# Altium PCB DL4-1AA.PcbDoc (part 1 of 5) (continued)
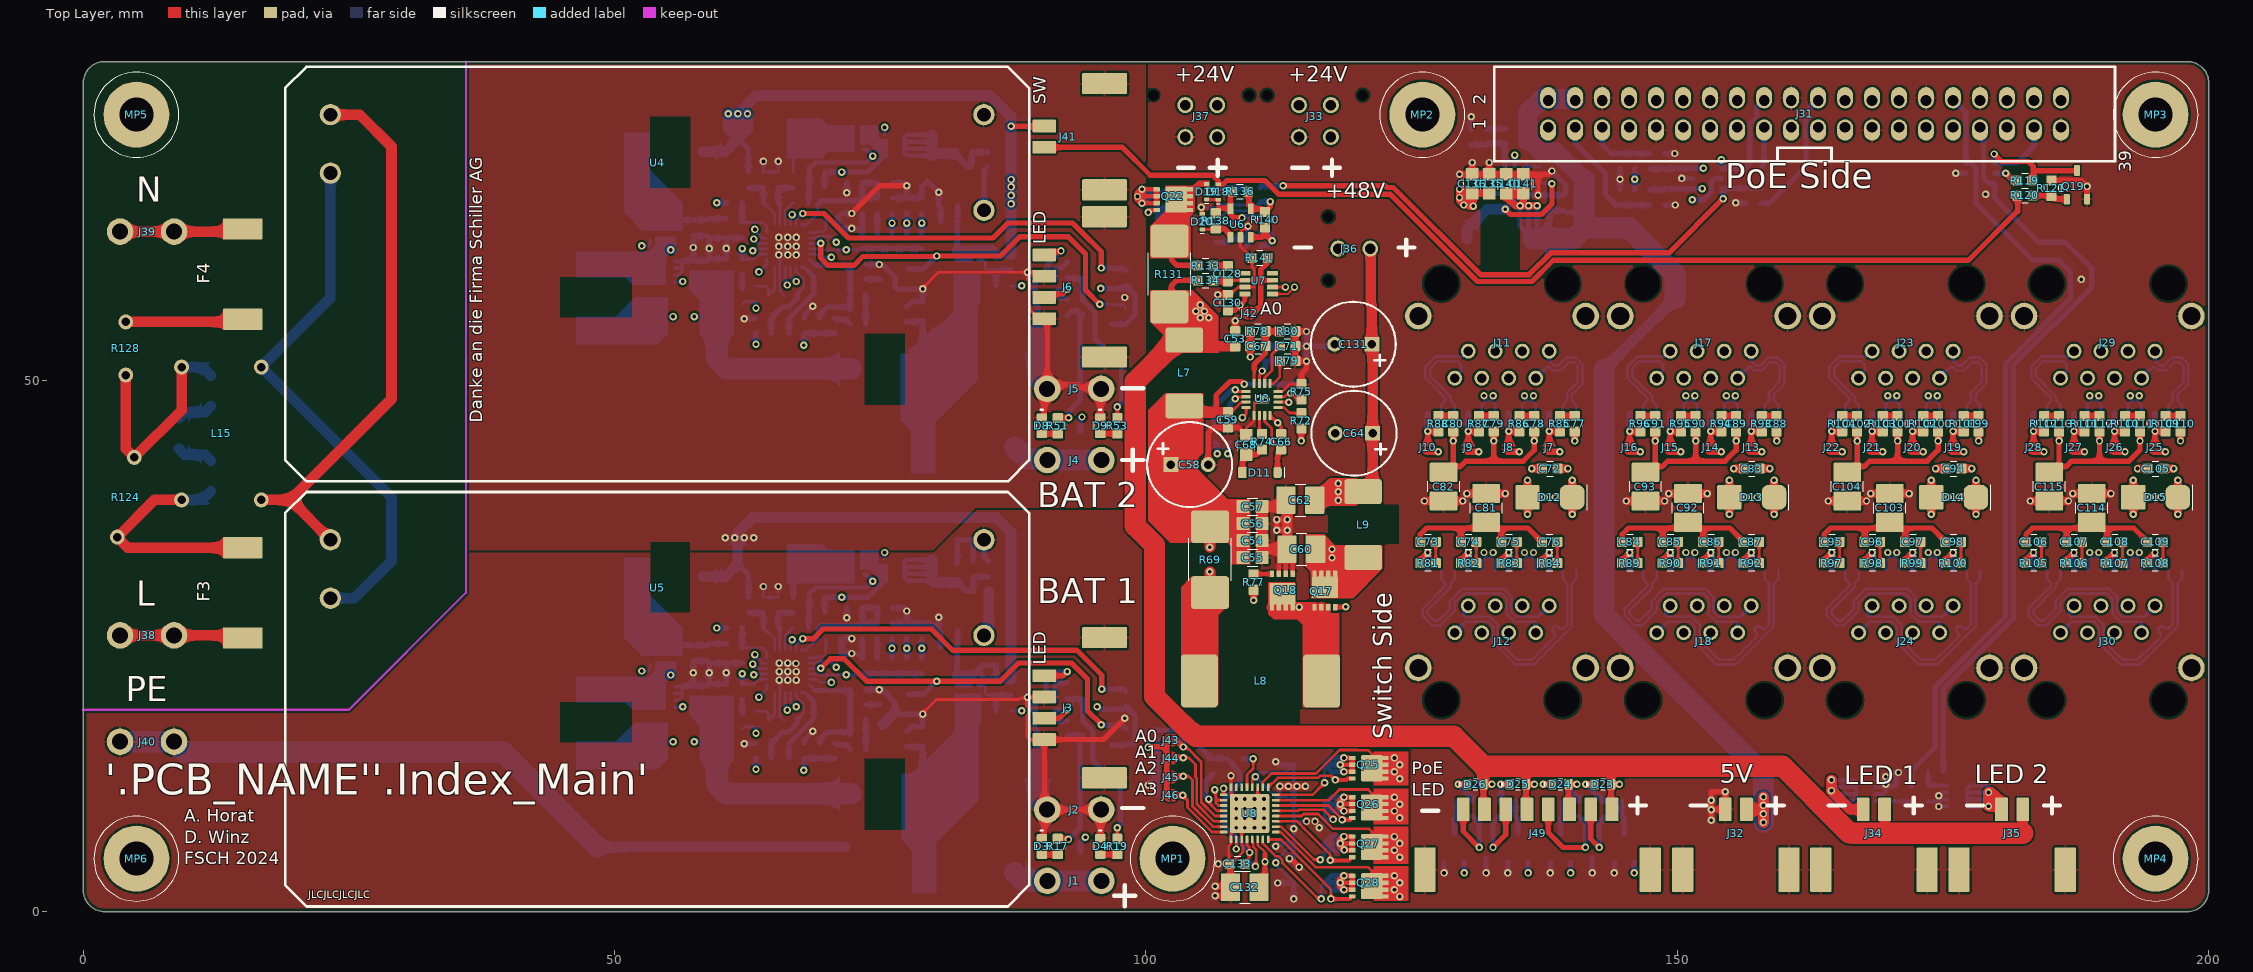
[diagram p0: Top Layer view]
## Classes and differential pairs (continued)
differential pair "POE_TD0_Ethernet Channel 3": +"POE_TD0_Ethernet Channel 3_P" -"POE_TD0_Ethernet Channel 3_N"
differential pair "POE_TD0_Ethernet Channel 2": +"POE_TD0_Ethernet Channel 2_P" -"POE_TD0_Ethernet Channel 2_N"
differential pair "POE_TD0_Ethernet Channel 1": +"POE_TD0_Ethernet Channel 1_P" -"POE_TD0_Ethernet Channel 1_N"
differential pair "IN_TD3_Ethernet Channel 4": +"IN_TD3_Ethernet Channel 4_P" -"IN_TD3_Ethernet Channel 4_N"
differential pair "IN_TD3_Ethernet Channel 3": +"IN_TD3_Ethernet Channel 3_P" -"IN_TD3_Ethernet Channel 3_N"
differential pair "IN_TD3_Ethernet Channel 2": +"IN_TD3_Ethernet Channel 2_P" -"IN_TD3_Ethernet Channel 2_N"
differential pair "IN_TD3_Ethernet Channel 1": +"IN_TD3_Ethernet Channel 1_P" -"IN_TD3_Ethernet Channel 1_N"
differential pair "IN_TD2_Ethernet Channel 4": +"IN_TD2_Ethernet Channel 4_P" -"IN_TD2_Ethernet Channel 4_N"
differential pair "IN_TD2_Ethernet Channel 3": +"IN_TD2_Ethernet Channel 3_P" -"IN_TD2_Ethernet Channel 3_N"
differential pair "IN_TD2_Ethernet Channel 2": +"IN_TD2_Ethernet Channel 2_P" -"IN_TD2_Ethernet Channel 2_N"
differential pair "IN_TD2_Ethernet Channel 1": +"IN_TD2_Ethernet Channel 1_P" -"IN_TD2_Ethernet Channel 1_N"
differential pair "IN_TD1_Ethernet Channel 4": +"IN_TD1_Ethernet Channel 4_P" -"IN_TD1_Ethernet Channel 4_N"
differential pair "IN_TD1_Ethernet Channel 3": +"IN_TD1_Ethernet Channel 3_P" -"IN_TD1_Ethernet Channel 3_N"
differential pair "IN_TD1_Ethernet Channel 2": +"IN_TD1_Ethernet Channel 2_P" -"IN_TD1_Ethernet Channel 2_N"
differential pair "IN_TD1_Ethernet Channel 1": +"IN_TD1_Ethernet Channel 1_P" -"IN_TD1_Ethernet Channel 1_N"
differential pair "IN_TD0_Ethernet Channel 4": +"IN_TD0_Ethernet Channel 4_P" -"IN_TD0_Ethernet Channel 4_N"
differential pair "IN_TD0_Ethernet Channel 3": +"IN_TD0_Ethernet Channel 3_P" -"IN_TD0_Ethernet Channel 3_N"
differential pair "IN_TD0_Ethernet Channel 2": +"IN_TD0_Ethernet Channel 2_P" -"IN_TD0_Ethernet Channel 2_N"
differential pair "IN_TD0_Ethernet Channel 1": +"IN_TD0_Ethernet Channel 1_P" -"IN_TD0_Ethernet Channel 1_N"

## Components (designator, comment, footprint, x,y, rotation, side; value= is the part's Value field where it differs from the comment)
C1 "10U/0805/50V/X5R" CAP0805_X7R 81.4,26.427 r180 bottom value=10uF (schematic designator C200)
C2 "100N/0603/50V/X7R" CAP0603_X7R 81.4,24.927 r180 bottom value=100nF (schematic designator C201)
C3 "100N/0603/50V/X7R" CAP0603_X7R 69.051,29.599 r180 bottom value=100nF (schematic designator C203)
C4 "100N/0603/50V/X7R" CAP0603_X7R 64.725,26.727 r180 bottom value=100nF (schematic designator C202)
C5 "10U/0805/50V/X5R" CAP0805_X7R 58.9,24.327 r270 bottom value=10uF (schematic designator C204)
C6 "10U/0805/50V/X5R" CAP0805_X7R 60.5,24.327 r270 bottom value=10uF (schematic designator C205)
C7 "100N/0603/50V/X7R" CAP0603_X7R 57.4,24.327 r270 bottom value=100nF (schematic designator C206)
C8 "100N/0603/50V/X7R" CAP0603_X7R 64,28.852 r90 bottom value=100nF (schematic designator C225)
C9 "100N/0603/50V/X7R" CAP0603_X7R 87.299,21.1 r270 bottom value=100nF (schematic designator C208)
C10 "100N/0603/50V/X7R" CAP0603_X7R 65.4,28.852 r90 bottom value=100nF (schematic designator C209)
C11 "1.0U/0603/50V/X7R" CAP0603_X7R 62,24.127 r90 bottom value=1.0uF (schematic designator C207)
C12 "1.0U/0603/50V/X7R" CAP0603_X7R 62,20.7 r90 bottom value=1.0uF (schematic designator C211)
C13 "10P/0603/50V/C0G" CAP0603_C0G 69.3,15.152 r90 bottom value=10pF (schematic designator C213)
C14 "22U/0805/25V/X5R" CAP0805_X7R 60.5,20.527 r90 bottom value=22uF (schematic designator C214)
C15 "22U/0805/25V/X5R" CAP0805_X7R 58.9,20.527 r90 bottom value=22uF (schematic designator C215)
C16 "100N/0603/50V/X7R" CAP0603_X7R 57.4,20.527 r90 bottom value=100nF (schematic designator C216)
C17 "10U/0805/50V/X5R" CAP0805_X7R 79,16.527 r90 bottom value=10uF (schematic designator C217)
C18 "100N/0603/50V/X7R" CAP0603_X7R 77.5,16.252 r90 bottom value=100nF (schematic designator C218)
C19 "100N/0603/50V/X7R" CAP0603_X7R 67.999,18.2 r0 bottom value=100nF (schematic designator C212)
C20 "1.0U/0603/50V/X7R" CAP0603_X7R 65.199,18 r180 bottom value=1.0uF (schematic designator C219)
C21 "100N/0603/50V/X7R" CAP0603_X7R 70.599,24.3 r0 bottom value=100nF (schematic designator C220)
C22 "10N/0603/50V/C0G" CAP0603_C0G 70.599,25.7 r0 bottom value=10nF (schematic designator C221)
C23 "100N/0603/50V/X7R" CAP0603_X7R 63.975,15.827 r180 bottom value=100nF (schematic designator C222)
C24 "100N/0603/50V/X7R" CAP0603_X7R 67.125,15.827 r0 bottom value=100nF (schematic designator C223)
C25 "10P/0603/50V/C0G" CAP0603_C0G 72.575,28.6 r180 bottom value=10pF (schematic designator C224)
C26 "1.0U/0603/50V/X7R" CAP0603_X7R 73.3,23.127 r90 bottom value=1.0uF (schematic designator C210)
C27 "10U/0805/50V/X5R" CAP0805_X7R 81.4,66.427 r180 bottom value=10uF (schematic designator C200)
C28 "100N/0603/50V/X7R" CAP0603_X7R 81.4,64.927 r180 bottom value=100nF (schematic designator C201)
C29 "100N/0603/50V/X7R" CAP0603_X7R 69.051,69.599 r180 bottom value=100nF (schematic designator C203)
C30 "100N/0603/50V/X7R" CAP0603_X7R 64.725,66.727 r180 bottom value=100nF (schematic designator C202)
C31 "10U/0805/50V/X5R" CAP0805_X7R 58.9,64.327 r270 bottom value=10uF (schematic designator C204)
C32 "10U/0805/50V/X5R" CAP0805_X7R 60.5,64.327 r270 bottom value=10uF (schematic designator C205)
C33 "100N/0603/50V/X7R" CAP0603_X7R 57.4,64.327 r270 bottom value=100nF (schematic designator C206)
C34 "100N/0603/50V/X7R" CAP0603_X7R 64,68.852 r90 bottom value=100nF (schematic designator C225)
C35 "100N/0603/50V/X7R" CAP0603_X7R 87.299,61.1 r270 bottom value=100nF (schematic designator C208)
C36 "100N/0603/50V/X7R" CAP0603_X7R 65.4,68.852 r90 bottom value=100nF (schematic designator C209)
C37 "1.0U/0603/50V/X7R" CAP0603_X7R 62,64.127 r90 bottom value=1.0uF (schematic designator C207)
C38 "1.0U/0603/50V/X7R" CAP0603_X7R 62,60.7 r90 bottom value=1.0uF (schematic designator C211)
C39 "10P/0603/50V/C0G" CAP0603_C0G 69.3,55.152 r90 bottom value=10pF (schematic designator C213)
C40 "22U/0805/25V/X5R" CAP0805_X7R 60.5,60.527 r90 bottom value=22uF (schematic designator C214)
C41 "22U/0805/25V/X5R" CAP0805_X7R 58.9,60.527 r90 bottom value=22uF (schematic designator C215)
C42 "100N/0603/50V/X7R" CAP0603_X7R 57.4,60.527 r90 bottom value=100nF (schematic designator C216)
C43 "10U/0805/50V/X5R" CAP0805_X7R 79,56.527 r90 bottom value=10uF (schematic designator C217)
C44 "100N/0603/50V/X7R" CAP0603_X7R 77.5,56.252 r90 bottom value=100nF (schematic designator C218)
C45 "100N/0603/50V/X7R" CAP0603_X7R 67.999,58.2 r0 bottom value=100nF (schematic designator C212)
C46 "1.0U/0603/50V/X7R" CAP0603_X7R 65.199,58 r180 bottom value=1.0uF (schematic designator C219)
C47 "100N/0603/50V/X7R" CAP0603_X7R 70.599,64.3 r0 bottom value=100nF (schematic designator C220)
C48 "10N/0603/50V/C0G" CAP0603_C0G 70.599,65.7 r0 bottom value=10nF (schematic designator C221)
C49 "100N/0603/50V/X7R" CAP0603_X7R 63.975,55.827 r180 bottom value=100nF (schematic designator C222)
C50 "100N/0603/50V/X7R" CAP0603_X7R 67.125,55.827 r0 bottom value=100nF (schematic designator C223)
C51 "10P/0603/50V/C0G" CAP0603_C0G 72.575,68.6 r180 bottom value=10pF (schematic designator C224)
C52 "1.0U/0603/50V/X7R" CAP0603_X7R 73.3,63.127 r90 bottom value=1.0uF (schematic designator C210)
C53 "100N/0603/50V/X7R" CAP0603_X7R 108.4,53.9 r90 top value=100nF (schematic designator C300)
C54 "10U/0805/50V/X5R" CAP0805_X7R 110.025,34.925 r0 top value=10uF (schematic designator C301)
C55 "10U/0805/50V/X5R" CAP0805_X7R 110.025,33.325 r0 top value=10uF (schematic designator C302)
C56 "10U/0805/50V/X5R" CAP0805_X7R 110.025,36.525 r0 top value=10uF (schematic designator C317)
C57 "10U/0805/50V/X5R" CAP0805_X7R 110.025,38.125 r0 top value=10uF (schematic designator C318)
C58 "68U/RADIAL/63V" CAP350P80X130 104.1,42.075 r0 top value=68UF (schematic designator C303)
C59 "100N/0603/50V/X7R" CAP0603_X7R 107.7,46.275 r90 top value=100nF (schematic designator C304)
C60 "10U/1210/63V/X7R" CAP1210_X7R 114.625,34.125 r180 top value=10UF (schematic designator C305)
C61 "10U/1210/63V/X7R" CAP1210_X7R 114.625,34.125 r180 bottom value=10UF (schematic designator C306)
C62 "10U/1210/63V/X7R" CAP1210_X7R 114.525,38.725 r180 top value=10UF (schematic designator C307)
C63 "10U/1210/63V/X7R" CAP1210_X7R 114.525,38.725 r180 bottom value=10UF (schematic designator C308)
C64 "68U/RADIAL/63V" CAP350P80X130 119.575,45.025 r180 top value=68UF (schematic designator C309)
C65 "100P/0603/50V/C0G" CAP0603_C0G 107.2,46.95 r180 bottom value=100pF (schematic designator C310)
C66 "100N/0603/100V/X7R" CAP0603_X7R 112.725,44.225 r90 top value=100nF (schematic designator C311)
C67 "10N/0603/50V/C0G" CAP0603_C0G 110.525,53.225 r0 top value=10nF (schematic designator C312)
C68 "10U/0805/50V/X5R" CAP0805_X7R 109.425,43.925 r90 top value=10uF (schematic designator C313)
C69 "100P/0603/50V/C0G" CAP0603_C0G 113.325,51.825 r0 bottom value=100pF (schematic designator C314)
C70 "10N/0603/50V/C0G" CAP0603_C0G 113.325,53.225 r0 bottom value=10nF (schematic designator C315)
C71 "100N/0603/50V/X7R" CAP0603_X7R 113.325,53.225 r0 top value=100nF (schematic designator C316)
C72 "100N/0603/100V/X7R" CAP0603_X7R 138,41.7 r180 top value=100nF (schematic designator C510)
C73 "22N/0603/100V/X7R" CAP0603_X7R 126.54,34.8 r180 top value=22nF (schematic designator C500)
C74 "22N/0603/100V/X7R" CAP0603_X7R 130.35,34.8 r180 top value=22nF (schematic designator C501)
C75 "22N/0603/100V/X7R" CAP0603_X7R 134.16,34.8 r180 top value=22nF (schematic designator C502)
C76 "22N/0603/100V/X7R" CAP0603_X7R 137.97,34.8 r180 top value=22nF (schematic designator C503)
C77 "22N/0603/100V/X7R" CAP0603_X7R 140.345,45.925 r270 top value=22nF (schematic designator C504)
C78 "22N/0603/100V/X7R" CAP0603_X7R 136.535,45.925 r270 top value=22nF (schematic designator C505)
C79 "22N/0603/100V/X7R" CAP0603_X7R 132.725,45.925 r270 top value=22nF (schematic designator C506)
C80 "22N/0603/100V/X7R" CAP0603_X7R 128.915,45.925 r270 top value=22nF (schematic designator C507)
C81 "1N/1210/2kV" CAP1210_X7R 132,38 r90 top value=1N (schematic designator C508)
C82 "1N/1210/2kV" CAP1210_X7R 128,40 r270 top value=1N (schematic designator C509)
C83 "100N/0603/100V/X7R" CAP0603_X7R 157,41.7 r180 top value=100nF (schematic designator C510)
C84 "22N/0603/100V/X7R" CAP0603_X7R 145.54,34.8 r180 top value=22nF (schematic designator C500)
C85 "22N/0603/100V/X7R" CAP0603_X7R 149.35,34.8 r180 top value=22nF (schematic designator C501)
C86 "22N/0603/100V/X7R" CAP0603_X7R 153.16,34.8 r180 top value=22nF (schematic designator C502)
C87 "22N/0603/100V/X7R" CAP0603_X7R 156.97,34.8 r180 top value=22nF (schematic designator C503)
C88 "22N/0603/100V/X7R" CAP0603_X7R 159.345,45.925 r270 top value=22nF (schematic designator C504)
C89 "22N/0603/100V/X7R" CAP0603_X7R 155.535,45.925 r270 top value=22nF (schematic designator C505)
C90 "22N/0603/100V/X7R" CAP0603_X7R 151.725,45.925 r270 top value=22nF (schematic designator C506)
C91 "22N/0603/100V/X7R" CAP0603_X7R 147.915,45.925 r270 top value=22nF (schematic designator C507)
C92 "1N/1210/2kV" CAP1210_X7R 151,38 r90 top value=1N (schematic designator C508)
C93 "1N/1210/2kV" CAP1210_X7R 147,40 r270 top value=1N (schematic designator C509)
C94 "100N/0603/100V/X7R" CAP0603_X7R 176,41.7 r180 top value=100nF (schematic designator C510)
C95 "22N/0603/100V/X7R" CAP0603_X7R 164.54,34.8 r180 top value=22nF (schematic designator C500)
C96 "22N/0603/100V/X7R" CAP0603_X7R 168.35,34.8 r180 top value=22nF (schematic designator C501)
C97 "22N/0603/100V/X7R" CAP0603_X7R 172.16,34.8 r180 top value=22nF (schematic designator C502)
C98 "22N/0603/100V/X7R" CAP0603_X7R 175.97,34.8 r180 top value=22nF (schematic designator C503)
C99 "22N/0603/100V/X7R" CAP0603_X7R 178.345,45.925 r270 top value=22nF (schematic designator C504)
C100 "22N/0603/100V/X7R" CAP0603_X7R 174.535,45.925 r270 top value=22nF (schematic designator C505)
C101 "22N/0603/100V/X7R" CAP0603_X7R 170.725,45.925 r270 top value=22nF (schematic designator C506)
C102 "22N/0603/100V/X7R" CAP0603_X7R 166.915,45.925 r270 top value=22nF (schematic designator C507)
C103 "1N/1210/2kV" CAP1210_X7R 170,38 r90 top value=1N (schematic designator C508)
C104 "1N/1210/2kV" CAP1210_X7R 166,40 r270 top value=1N (schematic designator C509)
C105 "100N/0603/100V/X7R" CAP0603_X7R 195,41.7 r180 top value=100nF (schematic designator C510)
C106 "22N/0603/100V/X7R" CAP0603_X7R 183.54,34.8 r180 top value=22nF (schematic designator C500)
C107 "22N/0603/100V/X7R" CAP0603_X7R 187.35,34.8 r180 top value=22nF (schematic designator C501)
C108 "22N/0603/100V/X7R" CAP0603_X7R 191.16,34.8 r180 top value=22nF (schematic designator C502)
C109 "22N/0603/100V/X7R" CAP0603_X7R 194.97,34.8 r180 top value=22nF (schematic designator C503)
C110 "22N/0603/100V/X7R" CAP0603_X7R 197.345,45.925 r270 top value=22nF (schematic designator C504)
C111 "22N/0603/100V/X7R" CAP0603_X7R 193.535,45.925 r270 top value=22nF (schematic designator C505)
C112 "22N/0603/100V/X7R" CAP0603_X7R 189.725,45.925 r270 top value=22nF (schematic designator C506)
C113 "22N/0603/100V/X7R" CAP0603_X7R 185.915,45.925 r270 top value=22nF (schematic designator C507)
C114 "1N/1210/2kV" CAP1210_X7R 189,38 r90 top value=1N (schematic designator C508)
C115 "1N/1210/2kV" CAP1210_X7R 185,40 r270 top value=1N (schematic designator C509)
C116 "10P/0603/50V/C0G" CAP0603_C0G 148.8,67.225 r270 bottom value=10pF (schematic designator C600)
C117 "10P/0603/50V/C0G" CAP0603_C0G 148.8,70.625 r90 bottom value=10pF (schematic designator C601)
C118 "10P/0603/50V/C0G" CAP0603_C0G 144.6,67.225 r90 bottom value=10pF (schematic designator C602)
C119 "10P/0603/50V/C0G" CAP0603_C0G 144.6,70.625 r270 bottom value=10pF (schematic designator C603)
C120 "10P/0603/50V/C0G" CAP0603_C0G 156.5,67.4 r270 bottom value=10pF (schematic designator C604)
C121 "10P/0603/50V/C0G" CAP0603_C0G 170.6,11.1 r90 bottom value=10pF (schematic designator C605)
C122 "10P/0603/50V/C0G" CAP0603_C0G 173.6,11.1 r270 bottom value=10pF (schematic designator C606)
C123 "10U/0805/50V/X5R" CAP0805_X7R 82,72.25 r90 bottom value=10uF (schematic designator C100)
C124 "100N/0603/50V/X7R" CAP0603_X7R 85.1,72.2 r90 bottom value=100nF (schematic designator C101)
C125 "10U/0805/50V/X5R" CAP0805_X7R 82.248,31.875 r90 bottom value=10uF (schematic designator C102)
C126 "100N/0603/50V/X7R" CAP0603_X7R 85.148,32.25 r90 bottom value=100nF (schematic designator C103)
C127 "100N/0603/50V/X7R" CAP0603_X7R 102.5,66.9 r270 bottom value=100nF (schematic designator C800)
C128 "10P/0603/50V/C0G" CAP0603_C0G 107.7,60.05 r90 top value=10pF (schematic designator C803)
C129 "100N/0603/50V/X7R" CAP0603_X7R 108,64.025 r270 bottom value=100nF (schematic designator C802)
C130 "1.0U/0603/50V/X7R" CAP0603_X7R 107.7,57.325 r90 top value=1.0uF (schematic designator C801)
C131 "68U/RADIAL/63V" CAP350P80X130 119.5,53.4 r180 top value=68UF (schematic designator C400)
C132 "4.7U/1210/100V/X7S" CAP1210_X7R 109.3,2.3 r180 top value=4.7uF (schematic designator C401)
C133 "1.0U/0603/50V/X7R" CAP0603_X7R 108.6,4.5 r180 top value=1.0uF (schematic designator C404)
C134 "100N/0603/50V/X7R" CAP0603_X7R 137.1,69.3 r270 bottom value=100nF (schematic designator C700)
C135 "10U/0805/50V/X5R" CAP0805_X7R 132.3,68.5 r90 top value=10uF (schematic designator C701)
C136 "10U/0805/50V/X5R" CAP0805_X7R 130.7,68.5 r90 top value=10uF (schematic designator C702)
C137 "10U/0805/50V/X5R" CAP0805_X7R 130.9,68.5 r90 bottom value=10uF (schematic designator C703)
C138 "1.0U/0603/50V/X7R" CAP0603_X7R 132.4,68.5 r90 bottom value=1.0uF (schematic designator C704)
C139 "1.0U/0603/50V/X7R" CAP0603_X7R 138,66.7 r90 bottom value=1.0uF (schematic designator C705)
C140 "22U/0805/25V/X5R" CAP0805_X7R 133.9,68.5 r90 top value=22uF (schematic designator C706)
C141 "22U/0805/25V/X5R" CAP0805_X7R 135.5,68.5 r90 top value=22uF (schematic designator C707)
C142 "22U/0805/25V/X5R" CAP0805_X7R 139.5,66.7 r90 bottom value=22uF (schematic designator C708)
C143 "10P/0603/50V/C0G" CAP0603_C0G 132,72.9 r90 bottom value=10pF (schematic designator C709)
D1 "BAS70-02V-G3-08" SOD1608X065 63.3,18.127 r90 bottom value=70V/100mA (schematic designator D203)
D2 "5.0SMDJ15CA" DIOM7959X265 86.3,14.2 r0 bottom (schematic designator D202)
D3 "LED Green" LED0603_GREEN 90.199,6.138 r270 top value=Green (schematic designator D200)
D4 "LED Red" LED0603_RED 95.699,6.138 r270 top value=Red (schematic designator D201)
D5 "PESD1CAN-UX" SOT65P210X95-3-SE 90.499,19.2 r0 bottom (schematic designator D204)
D6 "BAS70-02V-G3-08" SOD1608X065 63.3,58.127 r90 bottom value=70V/100mA (schematic designator D203)
D7 "5.0SMDJ15CA" DIOM7959X265 86.3,54.2 r0 bottom (schematic designator D202)
D8 "LED Green" LED0603_GREEN 90.2,45.738 r270 top value=Green (schematic designator D200)
D9 "LED Red" LED0603_RED 95.7,45.738 r270 top value=Red (schematic designator D201)
D10 "PESD1CAN-UX" SOT65P210X95-3-SE 90.5,58.8 r0 bottom (schematic designator D204)
D11 "SMD110PL-TP" SOD3718X125 110.725,41.325 r180 top (schematic designator D300)
D12 "SMBJ58A" DIOM5436X265 138,39 r180 top (schematic designator D501)
D13 "SMBJ58A" DIOM5436X265 157,39 r180 top (schematic designator D501)
D14 "SMBJ58A" DIOM5436X265 176,39 r180 top (schematic designator D501)
D15 "SMBJ58A" DIOM5436X265 195,39 r180 top (schematic designator D501)
D16 "PRTR5V0U4D" SOT2395P280X125-6-NW 152.8,69 r0 bottom (schematic designator D600)
D17 "PRTR5V0U4D" SOT2395P280X125-6-NW 178.5,69.5 r0 bottom (schematic designator D601)
D18 "BAS70-02V-G3-08" SOD1608X065 106.8,67.725 r90 top value=70V/100mA (schematic designator D800)
D19 "BAS70-02V-G3-08" SOD1608X065 105.7,67.75 r90 top value=70V/100mA (schematic designator D801)
D20 "BZT585B10T" SOD1608X065 105.3,64.925 r90 top (schematic designator D802)
D21 "PESD1CAN-UX" SOT65P210X95-3-SE 132,6 r90 bottom (schematic designator D404)
D22 "PESD1CAN-UX" SOT65P210X95-3-SE 142,6 r90 bottom (schematic designator D405)
D23 "LED Green" LED0603_GREEN 143,12 r0 top value=Green (schematic designator D400)
D24 "LED Green" LED0603_GREEN 139,12 r0 top value=Green (schematic designator D401)
D25 "LED Green" LED0603_GREEN 135,12 r0 top value=Green (schematic designator D402)
D26 "LED Green" LED0603_GREEN 131,12 r0 top value=Green (schematic designator D403)
F1 "6.3A/UMT250/FUSE" UMT250 83.4,3.7 r0 bottom value=6.3A (schematic designator F200)
F2 "6.3A/UMT250/FUSE" UMT250 83.4,43.7 r0 bottom value=6.3A (schematic designator F200)
F3 "3.15A/UMT250/FUSE" UMT250 15,30 r90 top value=3.15A (schematic designator F100)
F4 "3.15A/UMT250/FUSE" UMT250 15,60 r270 top value=3.15A (schematic designator F101)
J1 "6.35mmx0.81mm Tab THT" Tab_THT_635 93.26,2.9 r180 top (schematic designator J200)
J2 "6.35mmx0.81mm Tab THT" Tab_THT_635 93.24,9.6 r180 top (schematic designator J201)
J3 "5600200420" 5600200420 94.499,19.2 r90 top (schematic designator J203)
J4 "6.35mmx0.81mm Tab THT" Tab_THT_635 93.261,42.5 r180 top (schematic designator J200)
J5 "6.35mmx0.81mm Tab THT" Tab_THT_635 93.241,49.2 r180 top (schematic designator J201)
J6 "5600200420" 5600200420 94.5,58.8 r90 top (schematic designator J203)
J7 "Solder Jumper 2pin 0.2mm small" Solder_Jumper_2pin_0.2mm_small 137.945,43.685 r90 top (schematic designator J502)
J8 "Solder Jumper 2pin 0.2mm small" Solder_Jumper_2pin_0.2mm_small 134.135,43.685 r90 top (schematic designator J503)
J9 "Solder Jumper 2pin 0.2mm small" Solder_Jumper_2pin_0.2mm_small 130.325,43.685 r90 top (schematic designator J504)
J10 "Solder Jumper 2pin 0.2mm small" Solder_Jumper_2pin_0.2mm_small 126.515,43.685 r90 top (schematic designator J505)
J11 "615008160421" ETH_615008160421 133.5,57 r180 top (schematic designator J500)
J12 "615008160421" ETH_615008160421 133.5,22 r0 top (schematic designator J501)
J13 "Solder Jumper 2pin 0.2mm small" Solder_Jumper_2pin_0.2mm_small 156.945,43.685 r90 top (schematic designator J502)
J14 "Solder Jumper 2pin 0.2mm small" Solder_Jumper_2pin_0.2mm_small 153.135,43.685 r90 top (schematic designator J503)
J15 "Solder Jumper 2pin 0.2mm small" Solder_Jumper_2pin_0.2mm_small 149.325,43.685 r90 top (schematic designator J504)
J16 "Solder Jumper 2pin 0.2mm small" Solder_Jumper_2pin_0.2mm_small 145.515,43.685 r90 top (schematic designator J505)
J17 "615008160421" ETH_615008160421 152.5,57 r180 top (schematic designator J500)
J18 "615008160421" ETH_615008160421 152.5,22 r0 top (schematic designator J501)
J19 "Solder Jumper 2pin 0.2mm small" Solder_Jumper_2pin_0.2mm_small 175.945,43.685 r90 top (schematic designator J502)
J20 "Solder Jumper 2pin 0.2mm small" Solder_Jumper_2pin_0.2mm_small 172.135,43.685 r90 top (schematic designator J503)
J21 "Solder Jumper 2pin 0.2mm small" Solder_Jumper_2pin_0.2mm_small 168.325,43.685 r90 top (schematic designator J504)
J22 "Solder Jumper 2pin 0.2mm small" Solder_Jumper_2pin_0.2mm_small 164.515,43.685 r90 top (schematic designator J505)
J23 "615008160421" ETH_615008160421 171.5,57 r180 top (schematic designator J500)
J24 "615008160421" ETH_615008160421 171.5,22 r0 top (schematic designator J501)
J25 "Solder Jumper 2pin 0.2mm small" Solder_Jumper_2pin_0.2mm_small 194.945,43.685 r90 top (schematic designator J502)
J26 "Solder Jumper 2pin 0.2mm small" Solder_Jumper_2pin_0.2mm_small 191.135,43.685 r90 top (schematic designator J503)
J27 "Solder Jumper 2pin 0.2mm small" Solder_Jumper_2pin_0.2mm_small 187.325,43.685 r90 top (schematic designator J504)
J28 "Solder Jumper 2pin 0.2mm small" Solder_Jumper_2pin_0.2mm_small 183.515,43.685 r90 top (schematic designator J505)
J29 "615008160421" ETH_615008160421 190.5,57 r180 top (schematic designator J500)
J30 "615008160421" ETH_615008160421 190.5,22 r0 top (schematic designator J501)
J31 "CON40" HEAD_254_2X20_Tray 137.84,73.8 r90 top (schematic designator J600)
J32 "5600200220" 5600200220 155.5,5.555 r0 top (schematic designator J601)
J33 "430450412" 430450412 115.9,74.4 r0 top (schematic designator J602)
J34 "5600200220" 5600200220 168.5,5.555 r0 top (schematic designator J605)
J35 "5600200220" 5600200220 181.5,5.555 r0 top (schematic designator J606)
J36 "430450212" 430450212 119.6,62.4 r90 top (schematic designator J603)
J37 "430450412" 430450412 105.2,74.4 r0 top (schematic designator J604)
J38 "6.35mmx0.81mm Tab THT" Tab_THT_635 6,26 r0 top (schematic designator J101)
J39 "6.35mmx0.81mm Tab THT" Tab_THT_635 6,64 r0 top (schematic designator J102)
J40 "6.35mmx0.81mm Tab THT" Tab_THT_635 6,16 r0 top (schematic designator J103)
J41 "5600200220" 5600200220 94.5,72.925 r90 top (schematic designator J800)
J42 "Solder Jumper 2pin 0.2mm small" Solder_Jumper_2pin_0.2mm_small 109.7,56.325 r0 top (schematic designator J801)
J43 "Solder Jumper 2pin 0.2mm small" Solder_Jumper_2pin_0.2mm_small 102.325,16.15 r0 top (schematic designator J400)
J44 "Solder Jumper 2pin 0.2mm small" Solder_Jumper_2pin_0.2mm_small 102.325,14.45 r0 top (schematic designator J401)
J45 "Solder Jumper 2pin 0.2mm small" Solder_Jumper_2pin_0.2mm_small 102.325,12.65 r0 top (schematic designator J402)
J46 "Solder Jumper 2pin 0.2mm small" Solder_Jumper_2pin_0.2mm_small 102.325,10.95 r0 top (schematic designator J403)
J47 "NETTIE_025x050" NETTIE_025x050 112.725,13.1 r0 bottom (schematic designator J405)
J48 "NETTIE_025x050" NETTIE_025x050 112.725,10.8 r0 bottom (schematic designator J406)
J49 "5600200820" 5600200820 136.85,5.555 r0 top (schematic designator J404)
J50 "NETTIE_025x050" NETTIE_025x050 112.888,5.488 r45 bottom (schematic designator J407)
J51 "NETTIE_025x050" NETTIE_025x050 112.912,3.688 r315 bottom (schematic designator J408)
L1 "470NH/6630" INDM660730X30 55.2,31.527 r180 bottom value=470NH (schematic designator L200)
L2 "22UH/6630" INDM660730X30 48.199,17.8 r270 bottom value=22UH (schematic designator L201)
L3 "470NH/6630" INDM660730X30 75.399,11.1 r180 bottom value=470NH (schematic designator L202)
L4 "470NH/6630" INDM660730X30 55.2,71.527 r180 bottom value=470NH (schematic designator L200)
L5 "22UH/6630" INDM660730X30 48.199,57.8 r270 bottom value=22UH (schematic designator L201)
L6 "470NH/6630" INDM660730X30 75.399,51.1 r180 bottom value=470NH (schematic designator L202)
L7 "470NH/6630" INDM660730X30 103.6,50.7 r270 top value=470NH (schematic designator L300)
L8 "8.2UH/1245" INDM126126X47 110.775,21.725 r0 top value=8.2UH (schematic designator L301)
L9 "470NH/6630" INDM660730X30 120.425,36.425 r90 top value=470NH (schematic designator L302)
L10 "LAN2VSOPS24351C2" IND127P1600X620-24 133.5,39.5 r0 bottom (schematic designator L500)
L11 "LAN2VSOPS24351C2" IND127P1600X620-24 152.5,39.5 r0 bottom (schematic designator L500)
L12 "LAN2VSOPS24351C2" IND127P1600X620-24 171.5,39.5 r0 bottom (schematic designator L500)
L13 "LAN2VSOPS24351C2" IND127P1600X620-24 190.5,39.5 r0 bottom (schematic designator L500)
L14 "30R/0603/FERRITE" FB0603 84.3,70.1 r180 bottom value=30R (schematic designator L100)
L15 "1MH/THT/CMC" DFKH-CASE-50-2 13,45 r180 top value=1MH (schematic designator L101)
L16 "30R/0603/FERRITE" FB0603 84.5,30.1 r180 bottom value=30R (schematic designator L102)
L17 "10UH/6630" INDM660730X30 133.3,63.3 r0 bottom value=10UH (schematic designator L700)
MP1 "PEM M3, 2mm" MECH_SMTSO3020CTJ 102.5,5 r0 top (schematic designator MP600)
MP2 "PEM M3, 2mm" MECH_SMTSO3020CTJ 126,75 r0 top (schematic designator MP601)
MP3 "PEM M3, 2mm" MECH_SMTSO3020CTJ 195,75 r0 top (schematic designator MP602)
MP4 "PEM M3, 2mm" MECH_SMTSO3020CTJ 195,5 r0 top (schematic designator MP603)
MP5 "PEM M3, 2mm" MECH_SMTSO3020CTJ 5,75 r0 top (schematic designator MP604)
MP6 "PEM M3, 2mm" MECH_SMTSO3020CTJ 5,5 r0 top (schematic designator MP605)
Q1 "MCG35P04-TP" SON065P330X330X075-5-TH245X175#1 76.9,32.127 r90 bottom (schematic designator Q200)
Q2 "MCG35P04-TP" SON065P330X330X075-5-TH245X175#1 71.96,32.727 r270 bottom (schematic designator Q201)
Q3 "MCG35P04-TP" SON065P330X330X075-5-TH245X175#1 83.2,19.787 r0 bottom (schematic designator Q202)
Q4 "GSFN1036" SON065P330X330X075-5-TH245X175#1 54.3,24.727 r180 bottom (schematic designator Q203)
Q5 "BSS84" SOT2395P280X125-3-SE#1 95.399,16.6 r0 bottom (schematic designator Q206)
Q6 "BSS84" SOT2395P280X125-3-SE#1 95.399,20 r0 bottom (schematic designator Q207)
Q7 "GSFN1036" SON065P330X330X075-5-TH245X175#1 54.16,20.227 r270 bottom (schematic designator Q204)
Q8 "2N7002" SOT2395P280X125-3-SE#1 76.3,19.527 r0 bottom (schematic designator Q205)
Q9 "MCG35P04-TP" SON065P330X330X075-5-TH245X175#1 76.9,72.127 r90 bottom (schematic designator Q200)
Q10 "MCG35P04-TP" SON065P330X330X075-5-TH245X175#1 71.96,72.727 r270 bottom (schematic designator Q201)
Q11 "MCG35P04-TP" SON065P330X330X075-5-TH245X175#1 83.2,59.787 r0 bottom (schematic designator Q202)
Q12 "GSFN1036" SON065P330X330X075-5-TH245X175#1 54.3,64.727 r180 bottom (schematic designator Q203)
Q13 "BSS84" SOT2395P280X125-3-SE#1 95.4,56.2 r0 bottom (schematic designator Q206)
Q14 "BSS84" SOT2395P280X125-3-SE#1 95.4,59.6 r0 bottom (schematic designator Q207)
Q15 "GSFN1036" SON065P330X330X075-5-TH245X175#1 54.16,60.227 r270 bottom (schematic designator Q204)
Q16 "2N7002" SOT2395P280X125-3-SE#1 76.3,59.527 r0 bottom (schematic designator Q205)
Q17 "GSFN1036" SON065P330X330X075-5-TH245X175#2 116.825,30.165 r0 top (schematic designator Q300)
Q18 "GSFN1036" SON065P330X330X075-5-TH245X175#2 112.825,30.285 r180 top (schematic designator Q301)
Q19 "2N7002" SOT2395P280X125-3-SE#2 187.6,68.4 r270 top (schematic designator Q600)
Q20 "GSFN1036" SON065P330X330X075-5-TH245X175#1 167.16,11.4 r270 bottom (schematic designator Q601)
Q21 "GSFN1036" SON065P330X330X075-5-TH245X175#1 176.9,10.9 r90 bottom (schematic designator Q602)
Q22 "MCG35P04-TP" SON065P330X330X075-5-TH245X175#2 102.5,67 r270 top (schematic designator Q800)
Q23 "2N7002" SOT2395P280X125-3-SE#1 105.2,63.925 r0 bottom (schematic designator Q801)
Q24 "2N7002" SOT2395P280X125-3-SE#1 105.25,67.175 r0 bottom (schematic designator Q802)
Q25 "GSFN1036" SON065P330X330X075-5-TH245X175#2 120.9,13.5 r270 top (schematic designator Q400)
Q26 "GSFN1036" SON065P330X330X075-5-TH245X175#2 120.9,9.8 r270 top (schematic designator Q401)
Q27 "GSFN1036" SON065P330X330X075-5-TH245X175#2 120.9,6.1 r270 top (schematic designator Q402)
Q28 "GSFN1036" SON065P330X330X075-5-TH245X175#2 120.9,2.4 r270 top (schematic designator Q403)
Q29 "2N7002" SOT2395P280X125-3-SE#1 145,6 r270 bottom (schematic designator Q404)
Q30 "2N7002" SOT2395P280X125-3-SE#1 139,6 r270 bottom (schematic designator Q405)
Q31 "2N7002" SOT2395P280X125-3-SE#1 135,6 r270 bottom (schematic designator Q406)
Q32 "2N7002" SOT2395P280X125-3-SE#1 129,6 r270 bottom (schematic designator Q407)
R1 "0R025/2512" R2512-0.65-WW 64.7,32.727 r180 bottom value=0R025 (schematic designator R200)
R2 "0R/0603" R0603-0.40-WW 66.8,28.852 r270 bottom value=0R (schematic designator R227)
R3 "0R/0603" R0603-0.40-WW 62.6,28.852 r270 bottom value=0R (schematic designator R228)
R4 "100K/0603" R0603-0.40-WW 69.051,28.199 r180 bottom value=100K (schematic designator R201)
R5 "100K/0603" R0603-0.40-WW 85.899,21.1 r270 bottom value=100K (schematic designator R202)
R6 "1K/0603" R0603-0.40-WW 86.599,18.9 r180 bottom value=1K (schematic designator R203)
R7 "1K/0603" R0603-0.40-WW 67.525,26.727 r180 bottom value=1K (schematic designator R204)
R8 "10R/0603" R0603-0.40-WW 61.275,26.727 r180 bottom value=10R (schematic designator R226)
R9 "100K/0603" R0603-0.40-WW 98.099,16.475 r90 bottom value=100K (schematic designator R207)
R10 "100K/0603" R0603-0.40-WW 98.099,20.025 r90 bottom value=100K (schematic designator R231)
R11 "0R025/2512" R2512-0.65-WW 56.499,16 r0 bottom value=0R025 (schematic designator R208)
R12 "10R/0603" R0603-0.40-WW 62,17.9 r90 bottom value=10R (schematic designator R209)
R13 "0R/0603" R0603-0.40-WW 64,14.427 r0 bottom value=0R (schematic designator R229)
R14 "0R/0603" R0603-0.40-WW 67.125,14.427 r180 bottom value=0R (schematic designator R230)
R15 "51K/0603" R0603-0.40-WW 70.7,15.152 r90 bottom value=51K (schematic designator R210)
R16 "680K/0603" R0603-0.40-WW 72.899,15.3 r0 bottom value=680K (schematic designator R211)
R17 "2K2/0603" R0603-0.40-WW 91.699,6.138 r270 top value=2K2 (schematic designator R205)
R18 "0R/0603" R0603-0.40-WW 92.599,17.225 r90 bottom value=0R (schematic designator R232)
R19 "2K2/0603" R0603-0.40-WW 97.299,6.138 r270 top value=2K2 (schematic designator R206)
R20 "0R/0603" R0603-0.40-WW 92.599,20.825 r90 bottom value=0R (schematic designator R233)
R21 "100K/0603/NTC/4700K" R0603-0.40-WW 72.899,16.7 r180 bottom value=100K (schematic designator R212)
R22 "47K/0603" R0603-0.40-WW 74.7,23.127 r90 bottom value=47K (schematic designator R213)
R23 "110K/0603" R0603-0.40-WW 72.899,18.1 r180 bottom value=110K (schematic designator R214)
R24 "20K/0603" R0603-0.40-WW 74.7,26.427 r90 bottom value=20K (schematic designator R215)
R25 "3M3/0603" R0603-0.40-WW 72.899,19.5 r0 bottom value=3M3 (schematic designator R216)
R26 "100K/0603/NTC/4700K" R0603-0.40-WW 73.3,26.427 r270 bottom value=100K (schematic designator R217)
R27 "150K/0603" R0603-0.40-WW 75.425,28.6 r0 bottom value=150K (schematic designator R218)
R28 "150K/0603" R0603-0.40-WW 72.899,20.9 r0 bottom value=150K (schematic designator R219)
R29 "75K/0603" R0603-0.40-WW 76.099,23.127 r90 bottom value=75K (schematic designator R220)
R30 "16K/0603" R0603-0.40-WW 77.499,23.127 r90 bottom value=16K (schematic designator R221)
R31 "62K/0603" R0603-0.40-WW 78.899,23.127 r90 bottom value=62K (schematic designator R222)
R32 "24K/0603" R0603-0.40-WW 76.099,26.427 r90 bottom value=24K (schematic designator R223)
R33 "2K2/0603" R0603-0.40-WW 77.499,26.452 r90 bottom value=2K2 (schematic designator R224)
R34 "27K/0603" R0603-0.40-WW 78.899,26.427 r90 bottom value=27K (schematic designator R225)
R35 "0R025/2512" R2512-0.65-WW 64.7,72.727 r180 bottom value=0R025 (schematic designator R200)
R36 "0R/0603" R0603-0.40-WW 66.8,68.852 r270 bottom value=0R (schematic designator R227)
R37 "0R/0603" R0603-0.40-WW 62.6,68.852 r270 bottom value=0R (schematic designator R228)
R38 "100K/0603" R0603-0.40-WW 69.051,68.199 r180 bottom value=100K (schematic designator R201)
R39 "100K/0603" R0603-0.40-WW 85.899,61.1 r270 bottom value=100K (schematic designator R202)
R40 "1K/0603" R0603-0.40-WW 86.599,58.9 r180 bottom value=1K (schematic designator R203)
R41 "1K/0603" R0603-0.40-WW 67.525,66.727 r180 bottom value=1K (schematic designator R204)
R42 "10R/0603" R0603-0.40-WW 61.275,66.727 r180 bottom value=10R (schematic designator R226)
R43 "100K/0603" R0603-0.40-WW 98.1,56.075 r90 bottom value=100K (schematic designator R207)
R44 "100K/0603" R0603-0.40-WW 98.1,59.625 r90 bottom value=100K (schematic designator R231)
R45 "0R025/2512" R2512-0.65-WW 56.499,56 r0 bottom value=0R025 (schematic designator R208)
R46 "10R/0603" R0603-0.40-WW 62,57.9 r90 bottom value=10R (schematic designator R209)
R47 "0R/0603" R0603-0.40-WW 64,54.427 r0 bottom value=0R (schematic designator R229)
R48 "0R/0603" R0603-0.40-WW 67.125,54.427 r180 bottom value=0R (schematic designator R230)
R49 "51K/0603" R0603-0.40-WW 70.7,55.152 r90 bottom value=51K (schematic designator R210)
R50 "680K/0603" R0603-0.40-WW 72.899,55.3 r0 bottom value=680K (schematic designator R211)
R51 "2K2/0603" R0603-0.40-WW 91.7,45.738 r270 top value=2K2 (schematic designator R205)
R52 "0R/0603" R0603-0.40-WW 92.6,56.825 r90 bottom value=0R (schematic designator R232)
R53 "2K2/0603" R0603-0.40-WW 97.3,45.738 r270 top value=2K2 (schematic designator R206)
R54 "0R/0603" R0603-0.40-WW 92.6,60.425 r90 bottom value=0R (schematic designator R233)
R55 "100K/0603/NTC/4700K" R0603-0.40-WW 72.899,56.7 r180 bottom value=100K (schematic designator R212)
R56 "47K/0603" R0603-0.40-WW 74.7,63.127 r90 bottom value=47K (schematic designator R213)
R57 "110K/0603" R0603-0.40-WW 72.899,58.1 r180 bottom value=110K (schematic designator R214)
R58 "20K/0603" R0603-0.40-WW 74.7,66.427 r90 bottom value=20K (schematic designator R215)
R59 "3M3/0603" R0603-0.40-WW 72.899,59.5 r0 bottom value=3M3 (schematic designator R216)
R60 "100K/0603/NTC/4700K" R0603-0.40-WW 73.3,66.427 r270 bottom value=100K (schematic designator R217)
R61 "150K/0603" R0603-0.40-WW 75.425,68.6 r0 bottom value=150K (schematic designator R218)
R62 "150K/0603" R0603-0.40-WW 72.899,60.9 r0 bottom value=150K (schematic designator R219)
R63 "75K/0603" R0603-0.40-WW 76.099,63.127 r90 bottom value=75K (schematic designator R220)
R64 "16K/0603" R0603-0.40-WW 77.499,63.127 r90 bottom value=16K (schematic designator R221)
R65 "62K/0603" R0603-0.40-WW 78.899,63.127 r90 bottom value=62K (schematic designator R222)
R66 "24K/0603" R0603-0.40-WW 76.099,66.427 r90 bottom value=24K (schematic designator R223)
R67 "2K2/0603" R0603-0.40-WW 77.499,66.452 r90 bottom value=2K2 (schematic designator R224)
R68 "27K/0603" R0603-0.40-WW 78.899,66.427 r90 bottom value=27K (schematic designator R225)
R69 "0R005/2512" R2512-0.65-WW 106.025,33.125 r270 top value=0R005 (schematic designator R300)
R70 "10R/0603" R0603-0.40-WW 107.9,44.9 r90 bottom value=10R (schematic designator R301)
R71 "10R/0603" R0603-0.40-WW 106.5,44.9 r90 bottom value=10R (schematic designator R302)
R72 "0R/0603" R0603-0.40-WW 114.625,46.2 r270 top value=0R (schematic designator R303)
R73 "220K/0603" R0603-0.40-WW 114.625,48.925 r270 bottom value=220K (schematic designator R304)
R74 "2R2/0603" R0603-0.40-WW 110.925,44.225 r90 top value=2R2 (schematic designator R306)
R75 "12K/0603" R0603-0.40-WW 114.625,48.925 r90 top value=12K (schematic designator R307)
R76 "18K/0603" R0603-0.40-WW 111.225,52.55 r90 bottom value=18K (schematic designator R310)
R77 "0R/0603" R0603-0.40-WW 110.125,31.025 r90 top value=0R (schematic designator R311)
R78 "470K/0603" R0603-0.40-WW 110.525,54.625 r0 top value=470K (schematic designator R312)
R79 "75K/0603" R0603-0.40-WW 113.325,51.825 r0 top value=75K (schematic designator R313)
R80 "12K/0603" R0603-0.40-WW 113.325,54.625 r0 top value=12K (schematic designator R314)
R81 "75R/0603" R0603-0.40-WW 126.54,32.8 r0 top value=75R (schematic designator R501)
R82 "75R/0603" R0603-0.40-WW 130.35,32.8 r0 top value=75R (schematic designator R502)
R83 "75R/0603" R0603-0.40-WW 134.16,32.8 r0 top value=75R (schematic designator R503)
R84 "75R/0603" R0603-0.40-WW 137.97,32.8 r0 top value=75R (schematic designator R504)
R85 "75R/0603" R0603-0.40-WW 138.945,45.925 r90 top value=75R (schematic designator R505)
R86 "75R/0603" R0603-0.40-WW 135.135,45.925 r90 top value=75R (schematic designator R506)
R87 "75R/0603" R0603-0.40-WW 131.325,45.925 r90 top value=75R (schematic designator R507)
R88 "75R/0603" R0603-0.40-WW 127.515,45.925 r90 top value=75R (schematic designator R508)